# Altium PCB PA_8CH_CTRL.PcbDoc (part 6 of 11)
Units mil, origin at the board's own origin, x right, y up, seen from the top; angles counter-clockwise.
Board outline 15354.33 x 4330.71 mil, 4 copper layers (Component Side, Signal Layer 1, Power Plane, Solder Side), stack 63.149 mil thick; 907 components, 557 nets, 2683 pads, 1897 vias.
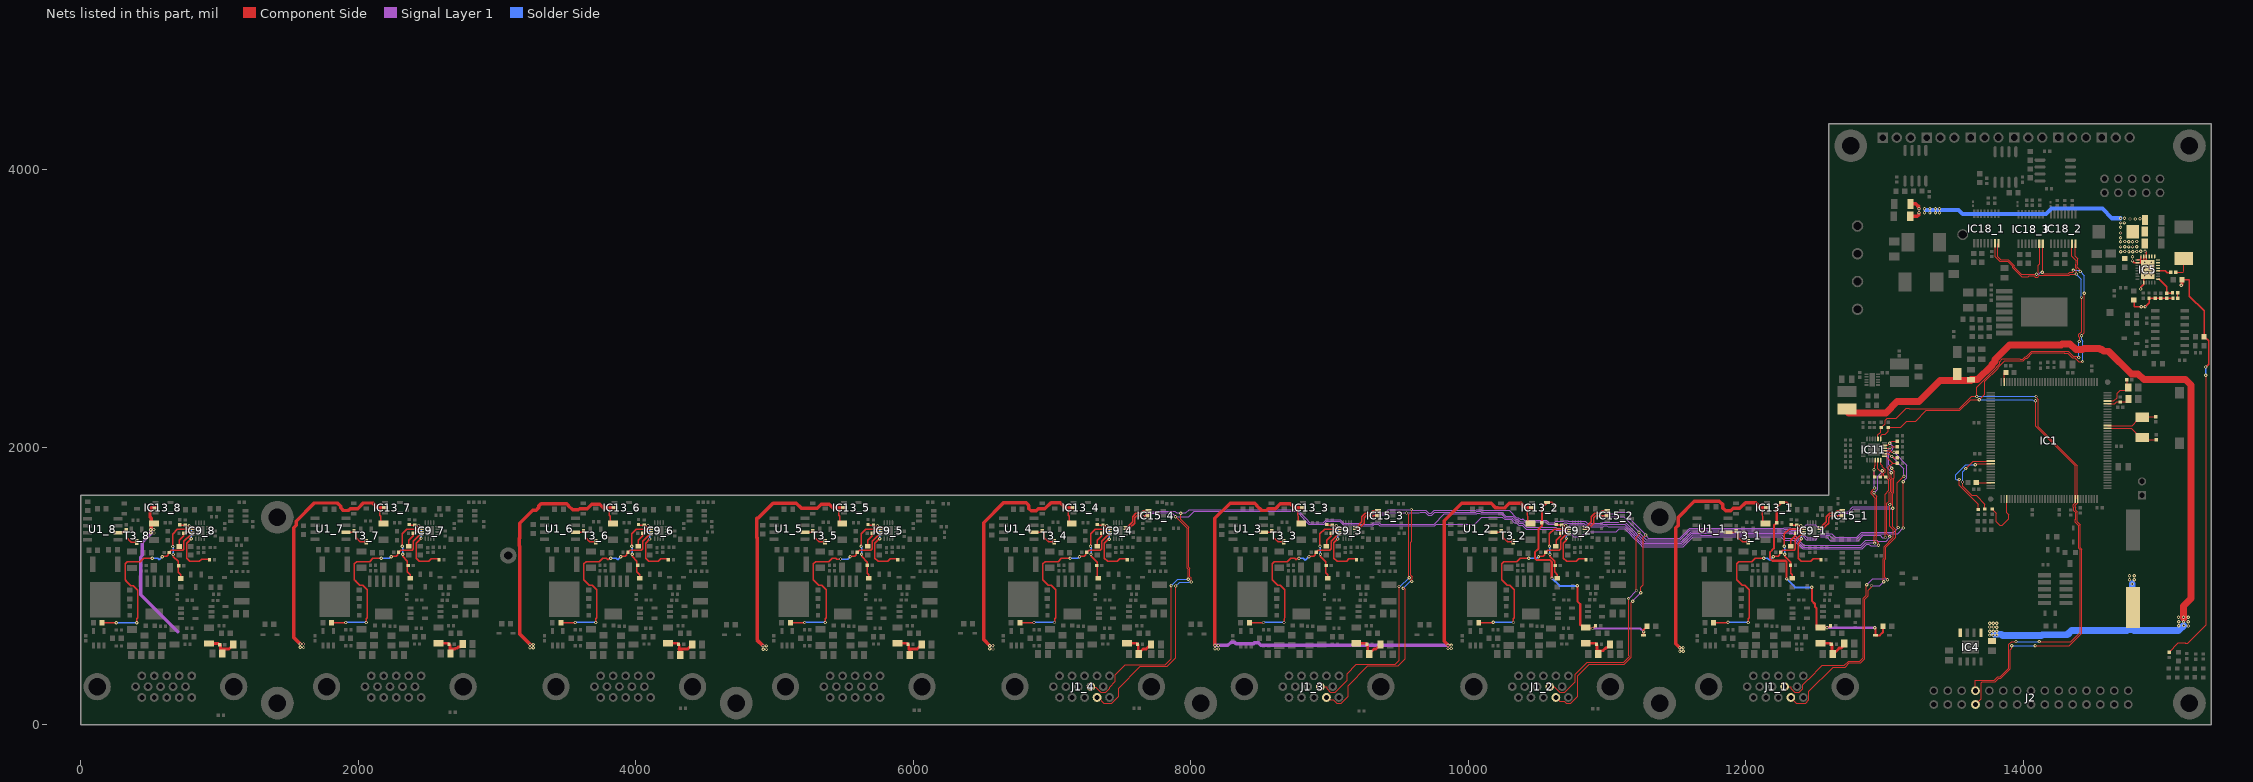
[diagram p8: the nets of this part, all layers, seen from the top]

## Via types
v1: diameter 23.62, hole 11.81, Component Side to Solder Side, tented both sides, 1569 vias
v2: diameter 23.62, hole 11.81, Component Side to Solder Side, 328 vias

## Nets (pads, with @x,y where several pads share a name; then routed paths per layer and width w, separated by ;. In a path a pad name is that pad's centre, name@x,y a point inside that pad or via, vN(x,y) a via of type N, cw(c..) or ccw(c..) an arc to the next point about the centre after c; other vN are vias at no path point) (continued)
I2C4_SCL: IC9_4.3 IC11.11 IC15_4.5 J1_4.9 R74.1 | length 8532.2
  Component Side w6: J1_4.9@7279.33,275.59 7281.93,273 7314.66,273 7352.56,235.09 7386.1,235.09 7414.7,263.69 7414.7,273 7454.75,313.05 7454.75,362.75 7527,435 7817,435 7858,476 v1(7858,1002) ; v1(7890,1500) 7972.84,1417.16 7972.84,1130.39 7981,1122.23 v1(7981,1050) ; v1@12921.01,1682.04 12919.58,1682.04 12914.42,1676.88 12945,1646.3 12945,1359.43 12939.19,1353.62 12939.19,1330.81 12956,1314 v1(12956,1295) ; IC11.11@12952.4,1907.58 12952.4,1844.6 12969.77,1827.23 12973.25,1830.71 v1(12982.28,1830.71) 12982.28,1798.52 R74.1@12969.77,1786.01
  Component Side w10: IC9_4.3@7532.24,1409.84 7552.87,1409.84 7555.91,1412.88 7555.91,1416.93 7579.12,1440.13 7583.17,1440.13 7595.98,1452.95 7595.98,1494.21 7609.72,1507.95 7634.79,1507.95 7644.74,1498 v1(7656,1498) 7665.95,1507.95 7693.11,1507.95 IC15_4.5@7694.8,1506.26
  Signal Layer 1 w6: v1@7656.45,1505.19 7665.19,1505.19 7685.33,1525.33 7760.65,1525.33 7763.5,1528.19 7861.81,1528.19 v1(7890,1500) ; v1@7890,1499 7985,1499 8023.81,1537.81 8763.65,1537.81 8815.61,1485.84 8815.61,1482.47 8851.76,1446.33 8960.31,1446.33 8980.98,1467 9072.03,1467 9097.7,1441.33 9214.37,1441.33 9220.85,1434.85 9311.02,1434.85 9320.87,1444.69 9352.57,1444.69 9362.41,1434.85 9758.01,1434.85 9770.11,1446.95 10045.52,1446.95 10096.38,1497.81 10243.82,1497.81 10261.44,1480.19 10309.45,1480.19 10331.94,1457.69 10346.36,1457.69 10363.68,1440.38 10387.65,1440.38 10417.22,1410.81 10626.56,1410.81 10633.04,1404.33 10710.04,1404.33 10758.37,1356 10811.6,1356 10824.41,1368.81 10834.81,1368.81 10859.33,1393.33 11066.96,1393.33 11087.64,1414.01 11125.65,1414.01 11173.48,1366.18 11173.48,1364.26 11206.76,1330.98 11209.97,1330.98 11237.89,1303.06 11237.89,1301.77 11254.7,1284.95 11548.95,1284.95 11620.95,1356.95 11668.53,1356.95 11669.28,1356.2 11765.76,1356.2 11766.51,1356.95 12252.42,1356.95 12277.61,1331.76 12347.86,1331.76 12354.19,1325.44 12354.19,1323.44 12408.82,1268.81 12837.38,1268.81 12870.38,1301.81 12887.62,1301.81 12900.24,1289.19 12950.19,1289.19 v1(12956,1295) ; v1(12923.23,1673.23) 12924.66,1673.23 12949.81,1698.38 12949.81,1792.04 12982.28,1824.51 v1(12982.28,1830.71)
  Solder Side w6: v1(7858,1002) 7906,1050 v1(7981,1050)
I2C4_SDA: IC9_4.4 IC11.10 IC15_4.4 J1_4.4 R73.1 | length 8464.9
  Component Side w6: J1_4.4@7304.88,197.64 J1_4.4@7324.25,197.64 7332.87,197.64 7373.37,157.14 7431.03,157.14 7480.46,206.57 7480.46,265.46 7636,421 7829,421 7893,485 7893,999 v1(7891,1001) ; v1(7927,1526) 7927,1482.55 7984.84,1424.7 7984.84,1135.36 7994.19,1126.01 7994.19,1066.24 8001.81,1058.62 8001.81,1041.38 8000.84,1040.41 8000.84,1033.16 v1(8004,1030) ; v1(12929,1310) 12927.19,1311.81 12927.19,1358.59 12933,1364.4 12933,1634.03 12902.42,1664.61 12902.42,1681.85 12914.61,1694.04 12916.04,1694.04 v1(12929,1707) ; R73.1@12930.4,1786.01 12932.72,1788.32 12922,1799.04 12924,1801.04 v1(12924,1839) 12927.94,1842.94 12927.94,1868 12932.72,1872.78 IC11.10@12932.72,1907.58
  Component Side w10: IC9_4.4@7532.24,1429.53 7544.82,1429.53 7579.98,1464.69 7579.98,1500.84 7603.1,1523.95 v1@7639.24,1523.95 ; v1(7647,1528) 7647,1531.71 7658.95,1543.66 IC15_4.4@7694.8,1543.66
  Signal Layer 1 w6: v1(7647,1528) 7656.33,1537.33 7755.68,1537.33 7758.53,1540.19 7885.81,1540.19 7899,1527 v1@7917,1527 ; v1@7927,1527 7965.19,1527 7988,1549.81 8768.62,1549.81 8827.61,1490.81 8827.61,1487.44 8856.73,1458.33 8955.34,1458.33 8976.01,1479 9077,1479 9102.67,1453.33 9219.34,1453.33 9225.82,1446.85 9306.05,1446.85 9315.9,1456.69 9357.54,1456.69 9367.38,1446.85 9753.04,1446.85 9827.46,1521.28 10059.84,1521.28 10065.38,1526.81 10082.62,1526.81 10088.16,1521.28 10237.32,1521.28 10266.41,1492.19 10314.42,1492.19 10336.92,1469.69 10351.33,1469.69 10368.65,1452.38 10392.62,1452.38 10422.19,1422.81 10631.53,1422.81 10638.01,1416.33 10710.88,1416.33 10723.07,1428.52 10723.07,1431.07 10734.54,1442.54 10825.46,1442.54 10841,1427 10973.69,1427 10981.64,1434.95 10998.88,1434.95 11006.83,1427 11129.63,1427 11185.48,1371.15 11185.48,1369.23 11211.73,1342.98 11214.94,1342.98 11249.89,1308.03 11249.89,1306.74 11259.68,1296.95 11543.83,1296.95 11615.83,1368.95 11673.5,1368.95 11674.25,1368.2 11760.79,1368.2 11761.54,1368.95 12257.39,1368.95 12282.58,1343.76 12352.83,1343.76 12366.19,1330.41 12366.19,1328.41 12413.79,1280.81 12832.41,1280.81 12865.41,1313.81 12925.19,1313.81 v1(12929,1310) ; v1(12924,1839) 12924,1712 v1(12929,1707)
  Solder Side w6: v1(7891,1001) 7919.19,1029.19 7989.62,1029.19 7990.43,1030 v1(8004,1030)
I2C5_SCL: IC9_3.3 IC11.13 IC15_3.5 J1_3.9 R76.1 | length 6742.2
  Component Side w6: J1_3.9@8932.87,275.59 8981.66,275.59 8982.38,274.87 8982.38,258.82 9006.1,235.09 9039.65,235.09 9126.09,321.54 9126.09,369.09 9194,437 9474.43,437 9501.81,464.38 9501.81,999.19 v1@9500.65,998.02 ; v1(9555,1527.07) 9569,1513.07 9569,1052 9575,1058 v1(9575,1060) ; IC11.13@12999.65,1935.14 13008.86,1935.14 13058.07,1885.93 ; v1(13037,1357) 13017.19,1376.81 13017.19,1596.62 13033.65,1613.08 13033.65,1674.88 13043.5,1684.72 13043.5,1767.97 13033.65,1777.81 13033.65,1800.92 13027.19,1807.38 13027.19,1855.05 13058.07,1885.93 ; R76.1@13091.38,1885.93 13058.07,1885.93
  Component Side w10: IC9_3.3@9185.79,1409.84 9206.42,1409.84 9249.53,1452.95 9249.53,1494.21 9263.27,1507.95 9291.79,1507.95 v1@9294.55,1505.19 ; v1(9303,1498) 9306.26,1498 9316.21,1507.95 9346.65,1507.95 IC15_3.5@9348.35,1506.26
  Signal Layer 1 w6: v1(9303,1498) 9303.43,1498 9321.43,1516 9404.86,1516 9415.93,1527.07 v1(9555,1527.07) 9646,1527.07 9652.2,1533.28 9690.01,1533.28 9710.82,1512.46 9738,1512.46 9758.81,1533.28 10054.87,1533.28 10060.41,1538.81 10087.59,1538.81 10093.13,1533.28 10242.29,1533.28 10271.38,1504.19 10319.39,1504.19 10341.89,1481.69 10356.31,1481.69 10373.62,1464.38 10556.05,1464.38 10575.74,1444.69 10680.38,1444.69 10693.64,1457.95 10710.88,1457.95 10714.3,1454.54 10830.44,1454.54 10843.64,1441.33 10971.05,1441.33 10976.67,1446.95 11126.65,1446.95 11197.48,1376.12 11197.48,1374.2 11216.7,1354.98 11219.91,1354.98 11261.89,1313 11261.89,1311.71 11264.65,1308.95 11538.86,1308.95 11610.86,1380.95 11678.47,1380.95 11679.22,1380.2 11755.82,1380.2 11756.57,1380.95 12286.52,1380.95 12291.38,1385.81 12308.62,1385.81 12314.43,1380 12338.54,1380 12378.19,1340.35 12378.19,1333.38 12418.76,1292.81 12827.44,1292.81 12865.44,1330.81 12944.76,1330.81 12951.38,1324.19 13010.62,1324.19 13037,1350.57 v1(13037,1357)
  Solder Side w6: v1(9500.65,997.99) 9511.18,997.99 9573.19,1060 v1(9575,1060)
I2C5_SDA: IC9_3.4 IC11.12 IC15_3.4 J1_3.4 R75.1 | length 6708.7
  Component Side w6: J1_3.4@8958.43,197.64 J1_3.4@8977.8,197.64 8994.57,180.86 9027.3,180.86 9051.02,157.14 9084.57,157.14 9134,206.57 9134,283 9276,425 9493.97,425 9545,476.03 9545,978 9534,989 v1(9530,985) ; v1(9590,1551.81) 9592,1549.81 9592,1324.19 9585.49,1317.68 9585.49,1078.94 9595.81,1068.62 9595.81,1051.38 9585.49,1041.06 9585.49,1040.51 v1(9592,1034) ; IC11.12@12972.09,1907.58 12972.09,1879.91 12982.28,1869.72 12982.28,1860.14 13003.09,1839.33 13003.09,1822.09 12994.28,1813.28 12994.28,1796.79 13021.65,1769.42 13025.07,1769.42 13031.5,1763 13031.5,1689.69 13005.19,1663.39 13005.19,1351.81 v1(13007,1350)
  Component Side w10: IC9_3.4@9185.79,1429.53 9198.36,1429.53 9233.53,1464.69 9233.53,1500.84 9256.64,1523.95 9292.79,1523.95 v1@9298.92,1530.08 ; v1(9304,1528) 9301,1528 v1@9298.92,1530.08 ; IC15_3.4@9348.35,1543.66 9312.5,1543.66 v1@9298.92,1530.08
  Signal Layer 1 w6: v1(9304,1528) 9399.89,1528 9423.7,1551.81 v1(9590,1551.81) 9596.54,1545.28 9694.98,1545.28 9715.79,1524.46 9733.03,1524.46 9753.84,1545.28 10049.9,1545.28 10055.44,1550.81 10092.56,1550.81 10098.1,1545.28 10270.84,1545.28 10271.38,1545.81 10294.74,1545.81 10346.86,1493.69 10361.28,1493.69 10373.47,1481.5 10390.71,1481.5 10394.07,1484.86 10402.55,1476.38 10561.02,1476.38 10580.71,1456.69 10620.08,1456.69 10629.92,1466.54 10685.25,1466.54 10688.67,1469.95 10715.85,1469.95 10719.27,1466.54 10842.44,1466.54 10855.64,1453.33 10966.08,1453.33 10971.7,1458.95 11131.62,1458.95 11209.48,1381.09 11209.48,1379.17 11221.67,1366.98 11227.86,1366.98 11273.89,1320.95 11533.89,1320.95 11605.89,1392.95 11683.44,1392.95 11684.19,1392.2 11750.84,1392.2 11751.6,1392.95 12281.55,1392.95 12286.41,1397.81 12313.59,1397.81 12319.4,1392 12380.43,1392 12409.68,1362.75 12409.68,1361.75 12435.93,1335.5 12502.95,1335.5 12522.58,1355.13 12581.87,1355.13 12608.55,1328.45 12808.56,1328.45 12845.92,1365.81 12968.62,1365.81 12984.43,1350 v1(13007,1350)
  Solder Side w6: v1(9530,985) 9531.43,985 9580.43,1034 v1(9592,1034)
I2C6_SCL: IC9_2.3 IC11.15 IC15_2.5 J1_2.9 R78.1 | length 4946.7
  Component Side w6: J1_2.9@10586.42,275.59 10619.15,275.59 10659.64,235.09 10695.72,235.09 10769.69,309.06 10769.69,363.99 10855.7,450 11119.29,450 11161.42,492.13 11155,498.54 v1(11155,910) ; v1(11212,968) 11212,1352 11230.29,1370.29 v1(11230.29,1387.79) ; IC11.15@12999.65,1974.51 13041.49,1974.51 13051.33,1964.67 v1(13068,1964.67) R78.1@13091.38,1964.67 ; v1(13135,1419) v1(13135,1751.97)
  Component Side w10: IC9_2.3@10839.33,1409.84 10859.96,1409.84 10903.07,1452.95 10903.07,1494.21 10916.81,1507.95 10941.79,1507.95 10944.55,1505.19 ; v1(10955,1498.38) 10956.64,1498.38 10966.21,1507.95 11000.2,1507.95 IC15_2.5@11001.89,1506.26
  Signal Layer 1 w6: v1(10955,1498.38) 11121.62,1498.38 11230.29,1389.71 v1(11230.29,1387.79) ; v1(11155,910) 11156.06,910 11212,965.94 v1(11212,968) ; v1@11221.28,1395.28 11283.62,1332.95 11528.92,1332.95 11600.92,1404.95 11688.41,1404.95 11689.17,1404.2 11716.35,1404.2 11717.1,1404.95 11717.94,1404.95 11718.69,1404.2 11745.87,1404.2 11746.63,1404.95 12276.58,1404.95 12281.44,1409.81 12318.56,1409.81 12324.37,1404 12385.4,1404 12421.68,1367.72 12421.68,1366.72 12440.9,1347.5 12497.98,1347.5 12515.25,1364.78 12517.61,1367.13 12602.87,1367.13 12629.55,1340.45 12803.59,1340.45 12840.95,1377.81 13093.81,1377.81 v1(13135,1419) ; v1(13068,1964.67) 13160.57,1872.09 13160.57,1782.72 13135,1757.14 v1(13135,1751.97)
I2C6_SDA: IC9_2.4 IC11.14 IC15_2.4 J1_2.4 R77.1 | length 4979.1
  Component Side w6: J1_2.4@10631.34,197.64 10659.83,169.14 10692.56,169.14 10704.56,157.14 10738.11,157.14 10787.54,206.57 10787.54,354.47 10871.07,438 11124.26,438 11173.42,487.16 11173.42,882.42 11181,890 v1(11185,890) ; v1(11243,952) 11243,991.57 11260.81,1009.38 11260.81,1350.81 v1(11278,1368) ; IC11.14@12999.65,1954.83 13031.17,1954.83 v1(13051.5,1934.5) 13060.7,1925.3 R77.1@13091.38,1925.3 ; v1(13098,1422) 13092.19,1427.81 13092.19,1743.76 v1(13139.76,1791.34)
  Component Side w10: IC9_2.4@10839.33,1429.53 10851.91,1429.53 10887.07,1464.69 10887.07,1500.84 10910.18,1523.95 10946.33,1523.95 10966.04,1543.66 IC15_2.4@11001.89,1543.66
  Signal Layer 1 w6: v1@10954.38,1532 10990.46,1532 11000.13,1522.33 11070.39,1522.33 11080.06,1532 11151.07,1532 11168.19,1514.88 11168.19,1481.24 11278,1371.43 v1(11278,1368) ; v1(11185,890) 11185,894 v1(11243,952) ; v1@11285.31,1369.69 11285.31,1357.69 11298.05,1344.95 11523.95,1344.95 11595.95,1416.95 11693.38,1416.95 11694.14,1416.2 11711.38,1416.2 11712.13,1416.95 11722.91,1416.95 11723.66,1416.2 11740.9,1416.2 11741.66,1416.95 12271.61,1416.95 12276.47,1421.81 12323.53,1421.81 12329.34,1416 12407,1416 12434,1443 12499.97,1443 12563.84,1379.13 12618.87,1379.13 12645.55,1352.45 12798.62,1352.45 12835.98,1389.81 13065.81,1389.81 v1(13098,1422) ; v1(13051.5,1934.5) 13139.76,1846.24 v1(13139.76,1791.34)
  other v1: 10954,1528
I2C7_SCL: IC9_1.3 IC11.17 IC15_1.5 J1_1.9 R80.1 | length 3273.6
  Component Side w6: J1_1.9@12279.33,275.59 12328.12,275.59 12328.83,276.31 12328.83,258.82 12352.56,235.09 12386.1,235.09 12409.83,258.82 12409.83,290.73 12448.82,329.72 12453.39,329.72 12551.66,428 12709.97,428 12739.97,458 12822.43,458 12846.81,482.38 12846.81,499.62 12846.43,500 12846.43,911.43 12869,934 12869,1007 v1(12871,1009) ; IC11.17@12999.65,2013.88 13022.88,2013.88 13052.41,2043.41 R80.1@13091.38,2043.41 ; v1(13021,1046) 13002.19,1064.81 13002.19,1191.36 13007.92,1197.1 13007.92,1279.46 13080,1351.54 13080,1406 13059,1427 v1(13059,1562) 13059,1666.29 13067.5,1674.78 13067.5,1777.91 13069.81,1780.22 13069.81,1826.62 13052,1844.43 v1(13052,1850)
  Component Side w10: IC9_1.3@12532.24,1409.84 12552.87,1409.84 12573.19,1430.16 12573.19,1430.45 12595.98,1453.24 12595.98,1494.21 12609.72,1507.95 12637.79,1507.95 12640.55,1505.19 v1@12654,1505.19 ; v1(12654,1498) v1@12654,1505.19 ; IC15_1.5@12694.8,1506.26 12693.11,1507.95 12662.21,1507.95 12659.45,1505.19 v1@12654,1505.19
  Signal Layer 1 w6: v1@12653,1498 12680.33,1525.33 12743.68,1525.33 12776.92,1558.57 13055.57,1558.57 v1(13059,1562) ; v1(12871,1009) 12914.81,1052.81 13014.19,1052.81 v1(13021,1046) ; v1(13037,2029) 13061,2005 13061,1995 ; v1(13052,1850) 13052,1854 13030.69,1875.31 13030.69,1958.26 13059.81,1987.38 13059.81,1995
  Signal Layer 1 w10: v1@12653,1498 v1(12654,1498)
I2C7_SDA: IC9_1.4 IC11.16 IC15_1.4 J1_1.4 R79.1 | length 3148.6
  Component Side w6: J1_1.4@12324.25,197.64 12364.75,157.14 12431.03,157.14 12454.75,180.86 12454.75,241.75 12629,416 12714.94,416 12744.94,446 12827.4,446 12858.81,477.41 12858.81,504.59 12858.43,504.97 12858.43,906.46 12881,929.03 12881,970 12906,995 v1(12906,1004) ; v1(12993,1032) 12990.19,1034.81 12990.19,1196.34 12995.92,1202.07 12995.92,1284.43 13063,1351.51 13063,1406.03 13038,1431.03 v1(13038,1588) 13047,1597 13047,1671.26 13055.5,1679.75 13055.5,1772.94 13047,1781.43 13047,1816 v1(13049,1818) ; IC11.16@12999.65,1994.2 v1@13039,1994.2 ; v1@13041.2,1994.2 13051.04,2004.04 R79.1@13091.38,2004.04
  Component Side w10: IC9_1.4@12532.24,1429.53 12544.82,1429.53 12579.98,1464.69 12579.98,1500.84 12603.1,1523.95 v1@12639.24,1523.95 ; v1(12650,1528) 12650,1530 12647.65,1532.35 12658.95,1543.66 IC15_1.4@12694.8,1543.66
  Signal Layer 1 w6: v1(12650,1528) 12659.33,1537.33 12738.7,1537.33 12771.95,1570.57 13034.57,1570.57 13038,1574 v1(13038,1588) ; v1(12906,1004) 12965,1004 v1(12993,1032) ; v1(13039,1996) 13018.69,1975.69 13018.69,1853.88 13048.57,1824 13053.46,1824 13049,1819.54 v1(13049,1818)
I2C_SCL: IC1.136 IC11.19 IC18_1.16 IC18_2.16 IC18_3.16 J2.23 R62.2 | length 7000.2
  Component Side w6: IC11.19@12972.09,2061.13 12972.09,2082.09 12984,2094 13004,2094 13026,2116 R62.2@13026,2143.5 13086.5,2143.5 13089.5,2146.5 13115.5,2146.5 13159,2190 13225,2190 13301,2266 13542.81,2266 13620.81,2344 v1@13682,2344 ; J2.23@13655.12,246.85 13655.12,321.54 13791.43,321.54 13816.88,347 13833,347 13894.27,408.27 13894.27,561.02 13896.51,563.27 13896.51,579.49 13917.42,600.39 v2(13946.82,600.39) ; v1(13682,2343) 13722.63,2383.63 13722.63,2475.34 13819.19,2571.9 13819.19,2577.62 13831.38,2589.81 13866.23,2624.66 13999.78,2624.66 14017.04,2641.92 14027,2641.92 14065.53,2680.45 14295.09,2680.45 14296.21,2679.32 14320.8,2679.32 14353.93,2646.2 14370.9,2646.2 14398.98,2618.11 v2(14426.98,2618.11) ; IC18_1.16@13820.77,3470.47 13815.76,3465.46 13815.76,3372.47 13836.66,3351.57 13892.77,3351.57 13934.71,3309.62 13934.71,3299.37 13986.05,3248.03 v2(14094.49,3248.03) ; v1(14088,2335) 14088,2153.03 14373.01,1868.02 IC1.136@14373.01,1627.74 14373.01,1599.26 14361,1587.26 14361,1566.85 14364.2,1563.65 14364.2,1543.61 14376.2,1531.61 14376.2,1483.04 14375.81,1482.65 14375.81,1459.06 14398.19,1436.68 14398.19,1271.54 14408.81,1260.92 14408.81,668.65 14340.55,600.39 v2(14114.15,600.39) ; IC18_3.16@14139.67,3466.54 14139.67,3266.29 v2(14136.11,3262.73) 14147.43,3251.41 14324.61,3251.41 14334.45,3261.25 14356.86,3261.25 14360.24,3264.63 v2(14360.24,3277.56) ; IC18_2.16@14374.9,3468.5 14374.9,3376.08 14393.05,3357.94 14393.05,3320.12 14388.64,3315.71 14388.64,3298.47 14409.45,3277.66 v2(14409.45,3267.72) ; v2(14419.29,2805.12) 14438.98,2824.8 14438.98,3070.99 14440.07,3072.08 14440.07,3109.14 v2(14438.98,3110.24)
  Solder Side w6: v1@13681,2344 14065.57,2344 14074.57,2335 v1(14088,2335) ; v2(13946.82,600.39) v2(14114.15,600.39) ; v2(14094.49,3248.03) 14109.25,3248.03 14123.95,3262.73 v2(14136.11,3262.73) ; v2(14360.24,3277.56) 14399.61,3277.56 v2(14409.45,3267.72) 14438.98,3238.19 v2(14438.98,3110.24) ; v2(14419.29,2805.12) 14419.29,2775.59 14429.1,2765.78 v2@14429.1,2618.14 ; v2(14426.98,2618.11) v2@14429.08,2618.11
I2C_SDA: IC1.137 IC11.20 IC18_1.15 IC18_2.15 IC18_3.15 J2.24 R60.2 | length 7139.7
  Component Side w6: IC11.20@12952.4,2061.13 12952.4,2089.4 12972,2109 12972,2143.5 R60.2@12977,2143.5 13004,2170.5 13004,2194.85 13018.07,2208.93 13083.5,2208.93 13157.38,2282.81 13174.62,2282.81 13179.43,2278 13537.84,2278 13626.84,2367 v1(13664,2367) 13664,2433.69 13807.19,2576.87 13807.19,2582.59 13828.83,2604.23 13828.83,2618.21 13849.44,2638.82 13975.41,2638.82 13977.57,2636.66 13994.81,2636.66 14012.07,2653.92 14022.03,2653.92 14060.56,2692.45 14324.65,2692.45 14358.9,2658.2 14389.04,2658.2 v2(14399.61,2647.64) ; J2.24@13655.12,146.85 13696,187.73 13696,302 13703.54,309.54 13796.4,309.54 13821.85,335 13837.97,335 13906.27,403.3 13906.27,541.34 13917.32,552.39 v2(13917.32,570.87) ; IC18_1.15@13795.77,3470.47 13795.77,3375.49 13831.69,3339.57 13887.8,3339.57 13922.71,3304.65 13922.71,3294.4 13988.76,3228.35 14035.43,3228.35 14043.12,3236.03 14077.06,3236.03 14085.87,3227.22 14103.11,3227.22 14115.3,3239.41 ; v2(14084.65,570.87) 14104.4,570.87 14105.52,571.99 14331.83,571.99 14420.81,660.97 14420.81,1267.19 14410.19,1277.81 14410.19,1441.65 14387.81,1464.03 14387.81,1477.68 14388.2,1478.07 14388.2,1536.58 14376.2,1548.58 14376.2,1568.62 14373,1571.82 14373,1582.29 14379.93,1589.21 14382.64,1589.21 14392.69,1599.26 IC1.137@14392.69,1627.74 14389.19,1631.24 14389.19,1868.81 14108.81,2149.19 14108.81,2343.62 14092,2360.43 v1(14092,2367) ; IC18_3.15@14114.67,3466.54 14118.14,3463.06 14118.14,3323.85 14108.27,3313.98 14108.27,3263.68 14115.3,3256.65 14115.3,3239.41 ; IC18_2.15@14349.27,3467.87 IC18_2.15@14349.9,3468.5 14349.9,3377.32 14381.05,3346.17 14381.05,3325.09 14376.64,3320.68 14376.64,3293.5 14381.05,3289.09 v2(14381.05,3249.25) 14339.43,3249.25 14329.58,3239.41 14115.3,3239.41 ; v2(14402.31,2763.01) 14402.31,2758.67 14405.21,2758.67 14406.89,2760.34 14406.89,2788.09 14398.48,2796.5 14398.48,2813.74 14419.26,2834.52 v2(14419.26,3080.7)
  Solder Side w6: v1(13664,2367) v1(14092,2367) ; v2(13917.32,570.87) 13937.1,570.87 13938.23,571.99 14083.52,571.99 v2(14084.65,570.87) ; v2(14381.05,3249.25) 14418.17,3212.14 14418.17,3081.8 v2(14419.26,3080.7) ; v2(14399.61,2647.64) 14399.61,2760.31 v2(14402.31,2763.01)
LED1: IC1.98 R101.1 | length 587.8
  Component Side w6: v1(13562,1750) 13562,1720.57 13629.38,1653.19 13659.81,1653.19 13723,1590 R101.1@13723,1555.5 ; v1(13585,1847) 13639.36,1901.36 IC1.98@13764.74,1901.36
  Solder Side w6: v1(13562,1750) 13562,1824 v1(13585,1847)
LED2: IC1.99 R102.1 | length 621.6
  Component Side w6: v1(13539,1769) 13539,1726.6 13674,1591.6 R102.1@13674,1552.5 ; v1(13654,1875) 13660.68,1881.68 IC1.99@13764.74,1881.68
  Solder Side w6: v1(13539,1769) 13530,1769 13523,1762 13513,1772 13513,1804.43 13583.57,1875 v1(13654,1875)
LED3: IC1.111 R103.1 | length 371.2
  Component Side w6: R103.1@13775,1555.5 13805.75,1524.76 13805.75,1464.82 13831.38,1439.19 13848.62,1439.19 13895.81,1486.38 13895.81,1515.19 13880.88,1530.12 IC1.111@13880.88,1627.74
MEAS_I_N8V_1: C46_1.1 IC9_1.10 R55_1.2 | length 495.9
  Component Side w10: v1(12277.36,1286.95) 12277.19,1287.13 12277.19,1375.84 12311.19,1409.84 IC9_1.10@12416.1,1409.84 ; v1(12281.17,1229.14) 12281.17,1214.51 12324,1171.69 12324,1093.42 12334.17,1083.24 R55_1.2@12334.17,1056.5
  Solder Side w10: v1(12277.36,1286.95) 12281.17,1283.14 v1(12281.17,1229.14)
MEAS_I_N8V_2: C46_2.1 IC9_2.10 R55_2.2 | length 496
  Component Side w10: v1(10584.45,1286.95) 10584.19,1287.21 10584.19,1375.75 10618.28,1409.84 IC9_2.10@10723.19,1409.84 ; v1(10588.26,1229.14) 10588.26,1214.51 10622.26,1180.51 10622.26,1102.24 10641.26,1083.24 R55_2.2@10641.26,1056.5
  Solder Side w10: v1(10584.45,1286.95) 10588.26,1283.14 v1(10588.26,1229.14)
MEAS_I_N8V_3: C46_3.1 IC9_3.10 R55_3.2 | length 495.8
  Component Side w10: v1(8930.91,1286.95) 8930.91,1376.01 8964.74,1409.84 IC9_3.10@9069.65,1409.84 ; v1(8934.72,1229.14) 8934.72,1214.51 8973,1176.23 8973,1097.96 8987.72,1083.24 R55_3.2@8987.72,1056.5
  Solder Side w10: v1(8930.91,1286.95) 8934.72,1283.14 v1(8934.72,1229.14)
MEAS_I_N8V_4: C46_4.1 IC9_4.10 R55_4.2 | length 495.8
  Component Side w10: v1(7277.36,1286.95) 7277.36,1376.01 7311.19,1409.84 IC9_4.10@7416.1,1409.84 ; v1(7281.17,1229.14) 7281.17,1214.51 7325,1170.69 7325,1065.67 R55_4.2@7334.17,1056.5
  Solder Side w10: v1(7277.36,1286.95) 7281.17,1283.14 v1(7281.17,1229.14)
MEAS_I_N8V_5: C46_5.1 IC9_5.10 R55_5.2 | length 495.8
  Component Side w10: v1(5623.82,1286.95) 5623.82,1376.01 5657.65,1409.84 IC9_5.10@5762.56,1409.84 ; v1(5627.63,1229.14) 5627.63,1214.51 5670,1172.14 5670,1093.87 5680.63,1083.24 R55_5.2@5680.63,1056.5
  Solder Side w10: v1(5623.82,1286.95) 5627.63,1283.14 v1(5627.63,1229.14)
MEAS_I_N8V_6: C46_6.1 IC9_6.10 R55_6.2 | length 495.8
  Component Side w10: v1(3970.28,1286.95) 3970.28,1376.01 4004.11,1409.84 IC9_6.10@4109.02,1409.84 ; v1(3974.09,1229.14) 3974.09,1214.51 4008.09,1180.51 4008.09,1102.24 4027.09,1083.24 R55_6.2@4027.09,1056.5
  Solder Side w10: v1(3970.28,1286.95) 3974.09,1283.14 v1(3974.09,1229.14)